# KiCad board PSEC5_Ctrl_Board.kicad_pcb (continued)
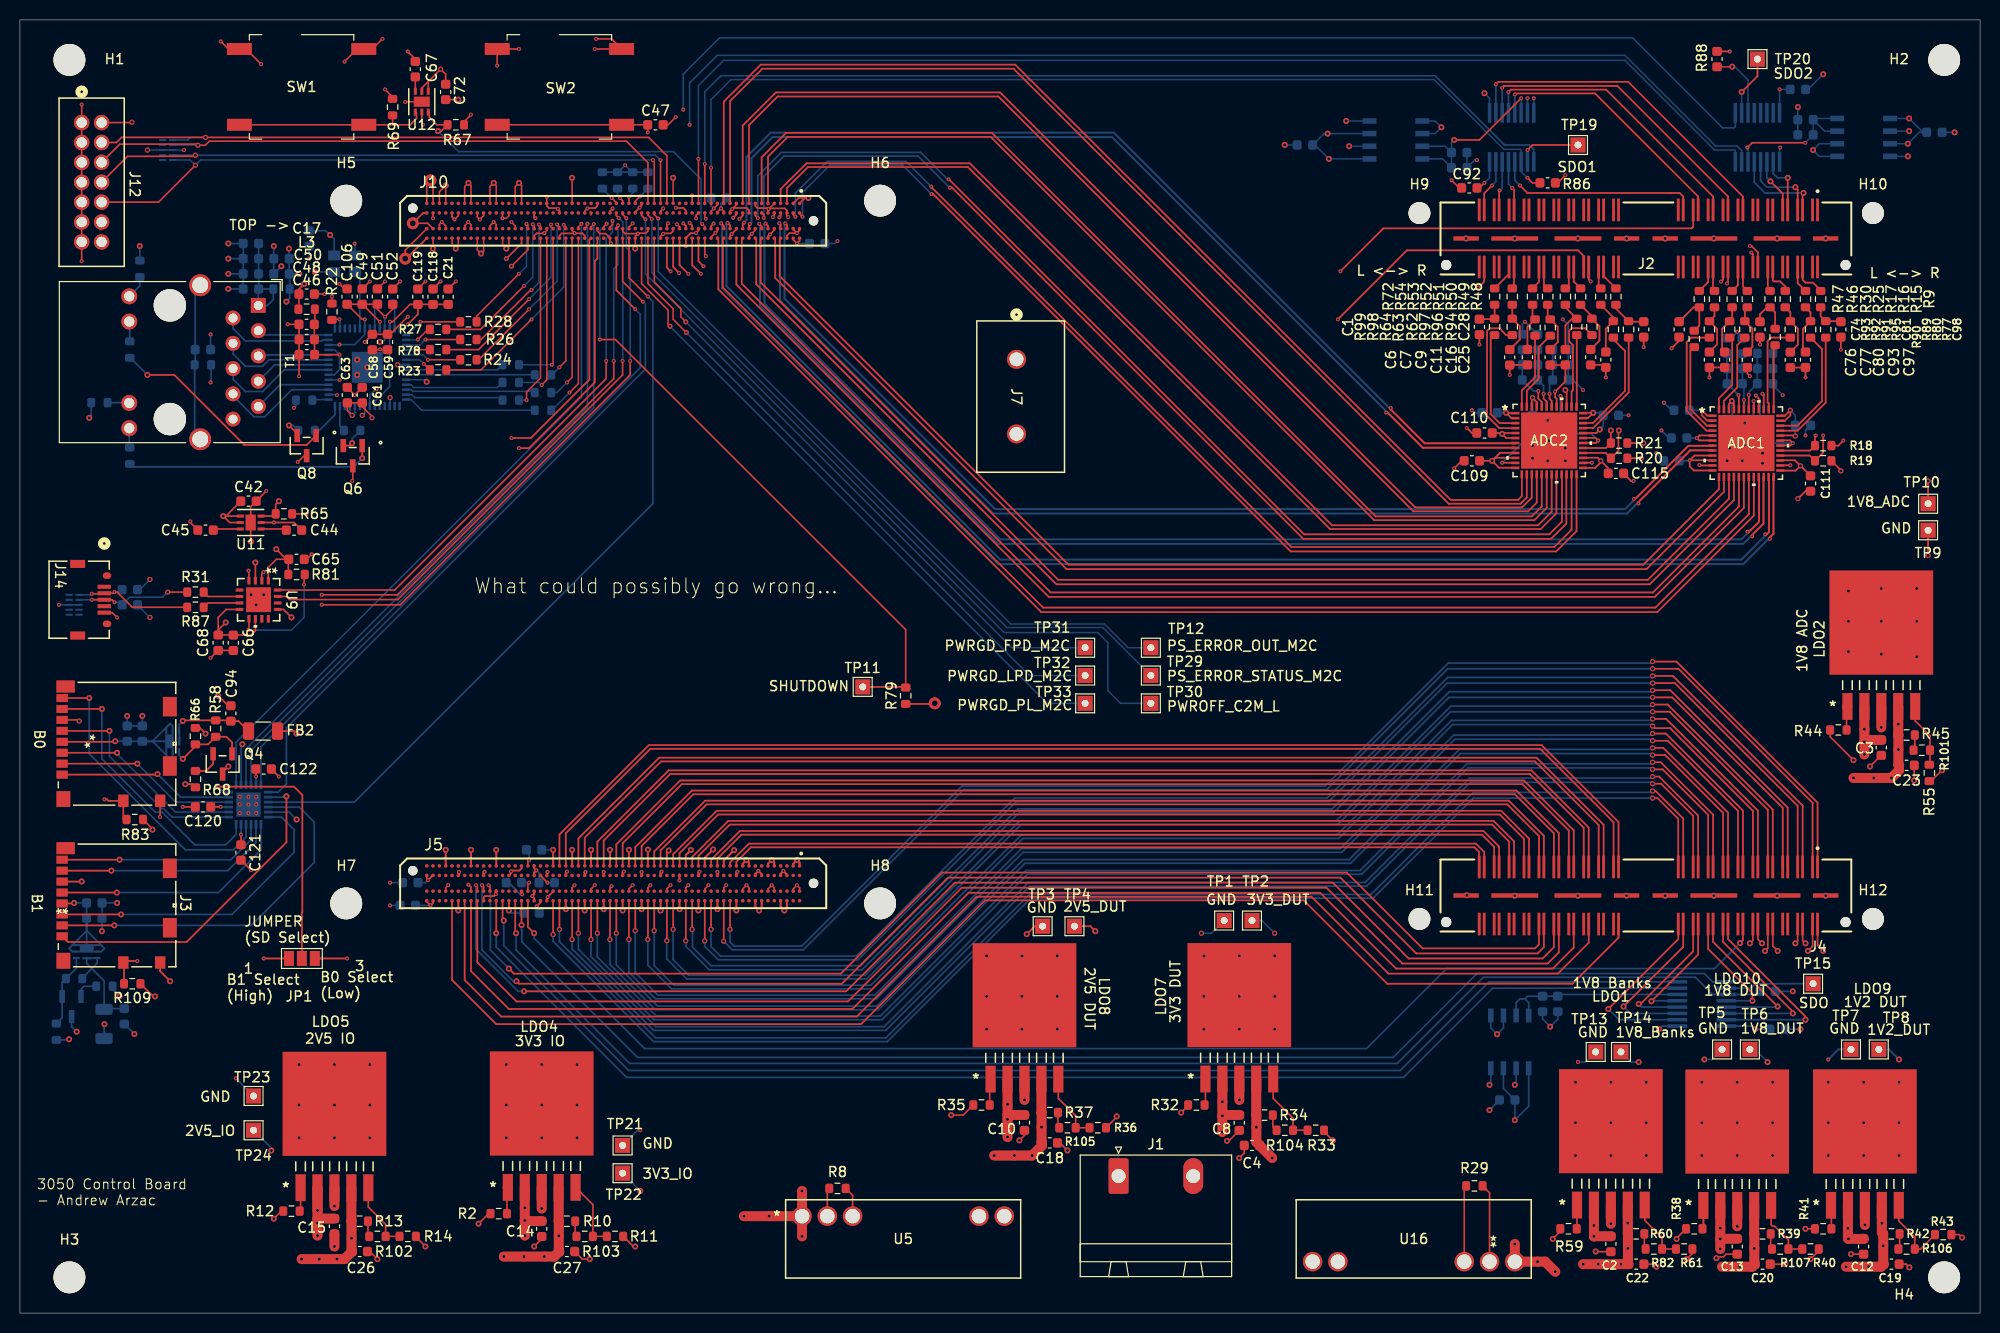
[diagram p0: board, top side]
## Nets (continued)
Pads without a net: J2 01 02 03 04 10 12 13 15 17 19 23 27 31 34 36 38 39 40 41 42 43 44 45 47 49 51 53 55 57 58 59 60 61 63 65 66 67 68 71 74 75 76 79 80; J3 11 12 13 14; J4 10 12 24 44 46 48 52 56 66 68 70 72 74 76 78 80; J5 A03 A04 A07 A08 A41 A42 A46 A47 A48 A50 A51 A52 A54 A55 A56 A58 A59 A60 B01 B02 B05 B06 B09 B10 B12 B13 B15 B16 B18 B19 B21 B22 B24 B25 B27 B28 B30 B31 B33 B34 B36 B37 B39 B40 B44 B45 B46 B48 B49 B50 B52 B53 B54 B56 B57 B58 C03 C04 C07 C08 C11 C12 C14 C15 C17 C18 C20 C21 C23 C24 C26 C27 C29 C30 C32 C33 C35 C36 C38 C39 C41 C42 C46 C47 C48 C54 C55 C56 C58 C59 C60 D01 D02 D05 D06 D09 D10 D50 D57 D58; J6 11 12 13 14; J10 A19 A20 A31 A32 A34 A35 A36 A38 A39 A40 A42 A43 A44 A47 A48 A51 A52 A55 A56 B18 B20 B21 B22 B28 B32 B33 B34 B36 B37 B38 B40 B41 B42 B44 B45 B46 B49 B50 B53 B54 B57 B58 C23 C24 C26 C27 C45 C47 C48 C51 C52 C55 C56 D32 D46 D49 D50 D53 D54 D57 D58; J12 12 14; J14 1 4 6 7 8 9; U1 1 2 4 5 9 12 29 31 32 33; U3 6 7 9 10; U4 12 13 14 15; U5 5; U9 5 11 12 14; U10 4 5 6 7 9 10; U16 5

## Via types
v1: diameter 0.4, hole 0.2, Top to Bottom, 352 vias
v2: diameter 0.6, hole 0.3, Top to Bottom, 389 vias
v3: diameter 0.52, hole 0.3, Top to Bottom, 69 vias
v4: diameter 1.2, hole 0.6, Top to Bottom, 4 vias
v5: diameter 0.5, hole 0.25, Top to Bottom, 6 vias

## Routing (per net, layer and track width the routed paths; a pad name or vN(x,y) marks a point on that pad's centre or on a via; arc(x,y) is an arc through that point)
1V2_DUT: length 18.1
  Top w0.159: 180.15,39.1 180.15,36.88 v2(179.69,36.42) ; v2(181.22,36.42) 180.65,36.98 180.65,39.1
  Top w1: LDO9.4 v2(187.11,9.04) 187.11,8.11 187.25,7.97 v2(187.25,6.76) 187.25,4.97 C19.1 187.04,4.67 v2(185.79,4.67) v2(183.5,4.67)
  Bottom w0.2: v2(188.84,25.5) 187.82,26.51 TP8.1
1V8_ADC: length 83.9
  Top w0.171: 176.9,85.74 178.37,85.74 v3(178.93,85.19) ; v3(177.91,90.77) 177.91,90.27 177.37,89.72 ADC1.35 ; v3(177.91,90.77) 177.91,90.76 ; v3(177.91,90.77) 177.36,90.22 ADC1.36 ; 176.9,88.24 178.35,88.24 v3(178.41,88.18) ; ADC1.9 168.28,86.22 v1(167.8,85.74) ; 148.24,86 v2(147.94,85.69) ; 148.24,86 148.74,86.5 150.28,86.5 ; 148.24,86 150.28,86 ; v2(147.94,85.69) 148.64,85 150.28,85 ; v2(147.94,85.69) C109.1 ; 176.9,84.74 176.93,84.71 178.45,84.71 v3(178.93,85.19) ; v2(148.96,88.39) 149.37,87.98 ADC2.6 ; v2(148.96,88.39) 148.86,88.49 C110.1 ; v2(148.96,88.39) 149.04,88.48 ADC2.5 ; 171.74,90.89 171.74,91.4 v2(172.04,91.69) 172.24,91.49 172.24,90.89 ; ADC2.46 151.93,91.97 v3(152,92.04) 152,92.01 152.43,91.58 ADC2.45 ; TP10.1 v3(191.76,83.66) ; 175.24,90.89 175.24,92.3 v1(175.12,92.42) ; v2(155.31,92.81) 155.43,92.68 ADC2.39 ; v3(158.86,85.69) 158.86,85.54 158.31,84.98 ADC2.25 ; v3(158.86,85.69) 159.61,84.94 C115.1 ; v3(158.86,85.69) 158.56,86 157.09,86 ; v3(158.86,85.69) 158.78,85.61 ; v3(158.86,85.69) 158.86,85.52 ; 157.09,88.5 158.43,88.5 v2(158.77,88.83) ; 170.09,87.74 168.75,87.74 v1(168.51,87.98) 168.78,88.24 170.09,88.24 ; v3(178.93,85.19) 178.94,85.19 C111.1 ; v1(167.8,85.74) 167.81,85.75 170.06,85.75 ADC1.10 ; v1(167.8,85.74) 167.8,85.14 168.22,84.72 ADC1.12 ; 157.09,90 157.58,90 v2(158.1,90.52) 157.11,90.52 157.09,90.5 ; 150,90.5 150.28,90.5 ; 157.12,84.96 157.09,85 ; 170.09,89.74 169.55,89.74 169.02,90.27 v1(169.02,90.77) 169.56,90.24 170.09,90.24 ; ADC2.1 149.38,90.48 v2(149.34,90.52) 149.88,89.98 ADC2.2
  Top w1: v2(184.26,53.8) v2(186.29,53.8) v2(188.07,53.8) 188.82,54.55 C23.1 188.77,55.12 v2(188.77,56.66) 188.77,58.12 188.76,58.13 v2(188.76,59.21) LDO2.4
  Bottom w0.171: 172.07,89.77 172.07,91.66 v2(172.04,91.69) ; v2(149.34,90.52) C112.1 ; v3(178.41,88.18) 178.41,88.18 C24.1 178.41,90.28 v3(177.91,90.77) ; v2(158.1,90.52) 158.85,90.52 C113.1 159.1,89.17 v2(158.77,88.83) ; C100.1 v1(168.51,87.98) ; v1(169.02,90.77) C99.1 ; v1(167.8,85.74) 167.75,85.69 C101.1 ; v3(152,92.04) C114.1
1V8_Banks: length 48
  Top w0.159: v1(53.02,43.28) 52.32,43.98 52.32,44.09 ; J10.D02 77.72,107.91 v1(78.09,107.54) 78.35,107.8 J10.D01 ; U9.1 24.96,74.98 25.77,75.79 C65.1 ; v2(13.32,48.61) 13.32,48.67 12.37,49.63 ; v1(51.17,45.56) 51.05,45.44 51.05,45.05 ; 52.32,41.55 52.32,41.28 v1(51.93,40.9) ; v3(11.26,119.73) 11.23,119.7 J12.2 ; R81.2 26.97,75.74 C65.1 ; C65.1 26.78,75.79 v2(25.77,76.8) ; v1(51.17,43.28) 51.05,43.15 51.05,42.51 ; 40.89,41.55 40.89,41.36 v1(41.26,40.99) 41.52,41.25 41.52,41.55
  Top w0.171: 17.64,52.86 17.32,53.18 v2(16.62,53.18) ; R19.1 182.99,84.74 v3(182.99,84.68) ; R18.1 182.74,87.22 v1(183.25,87.73) ; R21.1 v3(163.18,87.47) ; v1(23.73,53.94) 23.72,53.96 C122.1 ; R109.1 13.38,31.85 v2(13.58,31.85) ; R20.1 v3(162.93,85.95)
  Top w1: v2(157.09,4.92) v2(158.61,4.92) v2(160.9,4.92) C22.1 161.59,4.97 v2(161.59,6.51) R60.1 161.58,7.98 v2(161.58,9.06) LDO1.4
  Bottom w0.159: 52.2,40.23 51.93,40.49 v1(51.93,40.9) ; C83.1 51.17,46.31 v1(51.17,45.56) ; v1(53.02,43.28) C84.1 ; v2(162.67,25.24) 161.91,25.24 TP14.1 ; v1(41.26,40.99) C88.1 ; v1(78.09,107.54) C71.1 ; v1(51.17,43.28) 50.67,43.28
  Bottom w0.171: U17.5 23.72,53.93 v1(23.73,53.94) ; v2(10.02,31.85) 9.32,32.54 9.32,32.86
1V8_DUT: length 17.3
  Top w0.159: v2(176.64,36.42) 176.15,36.91 176.15,39.1 ; 175.65,39.1 175.65,36.69 v2(175.37,36.42)
  Top w1: v2(171.06,4.67) v2(172.83,4.67) 174.09,4.67 C20.1 174.29,4.97 v2(174.29,6.51) R39.1 174.28,7.98 LDO10.4
  Bottom w0.159: v2(175.63,25.24) 174.36,26.51 TP6.1
2V5_DUT: length 18.4
  Top w0.159: 174.15,39.1 174.15,37.48 v2(173.85,37.18) ; v2(175.07,37.18) 174.65,37.6 174.65,39.1
  Top w0.171: TP4.1 107.57,38.9 v2(108.07,38.4)
  Top w1: LDO8.4 102.65,20.17 R37.1 v2(102.67,18.7) 102.67,17.16 C18.1 102.72,16.85 v2(101.71,15.84) v2(99.94,15.84) v2(97.9,15.84)
2V5_IO: length 41.6
  Top w0.159: J10.B14 70.1,110.7 v1(70.46,111.06) 70.73,110.79 J10.B13 ; C92.1 146.67,113.13 v1(147.18,113.63) ; 40.89,44.09 40.89,43.65 v1(41.01,43.53) 41.52,44.04 41.52,44.09 ; v1(155.31,114.4) 154.54,113.63 R86.2
  Top w0.171: R88.2 171.8,126.85 v1(171.82,126.84)
  Top w1: LDO5.4 33.31,9.25 R13.1 v2(33.32,7.52) 33.32,6.24 C26.1 32.61,5.43 v2(31.86,5.43) v2(30.08,5.43) v2(28.31,5.43)
  Bottom w0.15: U2.16 147.69,114.14 v1(147.18,113.63) ; v1(176.83,123.03) U4.16
  Bottom w0.159: 29.58,104.74 v2(29.64,104.68) Y3.4 ; C91.1 v1(176.83,123.03) ; TP24.1 25.26,16.61 v2(25.26,16.35) ; v1(41.01,43.53) 40.75,43.28 C85.1 ; 70.99,112.11 70.46,111.57 v1(70.46,111.06) ; C60.1 30.75,108.82 v2(31.17,108.4) 31.58,108 31.58,106.33
  Bottom w0.171: C105.1 v2(174.36,28.54) 174.04,28.86 U15.16 ; R108.2 v2(178.17,32.35)
3V3_DUT: length 15.5
  Top w0.159: 179.15,39.1 179.15,37.47 v2(179.44,37.18) ; v2(178.42,37.18) 178.65,37.41 178.65,39.1
  Top w1: LDO7.4 124.24,19.92 R34.1 v2(124.26,18.7) 124.26,17.19 C4.1 124.59,16.85 v2(125.84,15.59)
  Bottom w0.159: TP2.1 124.83,39.47 v3(126.1,38.2)
3V3_IO: length 113.3
  Top w0.159: C72.1 42.78,124.56 v3(42.28,125.06) 41.04,123.82 ; v3(35.38,90.01) 35.38,90.16 34.4,91.13 C61.1 C63.1 32.91,90.75 v3(33.39,90.27) ; 22.18,79.48 21.08,79.48 v2(20.43,80.13) ; v1(38.97,100.17) 37.21,98.41 C59.1 C58.1 34.66,97.64 v1(34.66,97.63) ; v2(20.69,69.44) 19.92,68.68 C68.1 ; R65.1 v1(28.81,80.36) ; v2(28.56,103.47) 28.04,102.95 C17.1 28.04,100.98 L3.2 ; v2(20.43,80.13) 20.7,80.13 C42.1 ; v2(20.43,80.13) 22.18,80.13 ; U9.8 20.73,70.75 19.92,69.95 C68.1 ; C68.1 21.44,68.18 C66.1 23.23,68.17 23.66,68.6 U9.10 ; U12.2 40.39,123.17 41.04,123.82 ; U12.1 41.04,123.82 ; R69.1 37.45,122.27 v1(36.69,123.03) ; v1(45.33,120.49) 44.63,119.79 R67.1
  Top w0.171: v2(27.8,58.26) 27.55,58.52 FB2.2 ; v1(24.5,35.66) JP1.1 ; C120.1 v1(20.18,50.9) ; C121.1 v1(22.21,48.1)
  Top w1: v2(48.63,5.68) v2(50.66,5.68) v2(52.69,5.68) 53.69,5.68 C27.1 54.15,6.24 v2(54.15,7.78) R10.1 54.14,9.25 LDO4.4
  Bottom w0.15: U8.1 v2(189.85,120.11) 191.25,118.71 C31.1 190.87,118.71 v2(189.72,117.57) U8.3 ; U1.52 40.67,93.84 v2(40.88,93.63) ; 135.5,118.46 U7.3 v2(131.42,118.59) 131.05,118.59 C29.1 130.15,117.44 v2(131.55,116.05) U7.1
  Bottom w0.159: v1(34.66,97.63) 35.16,98.14 U1.36 ; U1.11 33.16,90.49 v3(33.39,90.27) 33.66,90.54 U1.10 ; U1.49 37.96,95.34 v3(37.96,95.35) ; TP22.1 v2(62.34,12.29)
  Bottom w0.171: C64.1 27.11,104.44 L5.2 27.11,102.03 v2(26.78,101.7) ; C64.1 v2(28.05,104.49) ; C64.1 C62.1 27.06,107 v2(27.04,107.03) ; U17.21 20.2,50.87 v1(20.18,50.89) ; U13.1 151.62,20.8 v2(150.23,19.4) 150.24,19.41 C102.1 149.08,22.59 U13.3 ; 7.16,91.54 7.16,90.2 v2(6.97,90.01) ; R74.2 v2(12.05,107.28) ; U17.17 22.22,48.11 v1(22.21,48.1) ; v2(8.5,29.05) 8.46,29.01 FB1.2
/SOM240_1(1.5)/ethernet1/AVDD18: length 22.2
  Top w0.159: C49.1 34.42,101.43 v1(36.18,99.66) ; C49.1 C51.1 35.93,100.93 v1(36.69,100.17) 37.46,100.95 C52.1 ; C49.1 C106.1 34.39,99.92 v1(34.66,99.92)
  Bottom w0.159: v3(37.2,92.04) 37.2,91.23 U1.3 ; 36.33,97.5 36.66,97.83 U1.39 36.66,100.14 v1(36.69,100.17) ; U1.26 32.08,97.34 v1(32.12,97.38) 33.64,97.38 34.66,98.4 U1.35 v1(34.66,99.92) ; v1(36.18,99.66) 36.16,99.64 U1.38 ; v1(32.12,93.82) 31.03,93.82
  vias: v2(36.17,97.65)
/SOM240_1(1.5)/ethernet1/AVDD33: length 11.2
  Top w0.159: v1(32.12,96.36) C46.1 C48.1 29.59,97.9 C50.1 29.64,99.46 L3.1
  Bottom w0.159: U1.20 31.6,94.34 32.12,94.85 v1(32.12,96.36) 31.64,96.84 U1.25
/SOM240_1(1.5)/ethernet1/DVDD: length 19.2
  Top w0.159: C119.1 39.2,101.42 37.46,99.67 v1(37.18,99.67) ; C119.1 39.99,100.43 v1(38.97,99.41) ; C119.1 C118.1 C21.1
  Bottom w0.159: v1(38.97,99.41) 38.56,98.99 U1.42 38.12,98.95 ; U1.6 35.66,91.65 37.16,93.15 U1.40 37.16,99.65 v1(37.18,99.67)
GND: length 658.5
  Top w0.15: J10.A14 70.1,111.43 v1(69.73,111.06) 69.46,110.79 J10.B15 ; J10.A21 65.65,114.14 v2(65.65,114.14) ; J10.D56 43.43,107.4 v2(43.8,107.03) 44.06,107.29 J10.D55 ; J10.A45 50.41,113.37 v2(50.15,113.63) 49.78,113.26 J10.A46 ; J10.A58 42.16,112.74 v2(42.79,113.37) J10.A57 ; J10.A54 44.7,113.26 v2(45.07,113.63) 45.33,113.37 J10.A53 ; J10.A37 55.49,114.14 v2(55.48,114.14) ; J10.B35 56.76,110.79 v1(57.03,111.06) ; J10.C41 52.95,108.84 v1(52.71,108.6) ; J10.A50 47.24,113.26 v2(47.61,113.63) 47.87,113.37 J10.A49 ; J10.D51 46.6,106.78 v2(46.34,106.52) 45.97,106.9 J10.D52 ; J10.D59 41.52,107.03 v2(41.52,107.03) ; J10.C14 70.1,108.82 v1(69.89,108.61) ; 29,86.2 28.56,86.2 v1(27.93,85.57) ; v1(41.52,110.08) 41.52,110.61 J10.B59 ; v1(62.11,108.52) 61.84,108.25 J10.D27 61.84,107.03 v2(61.83,107.03) ; v1(33.39,83.66) 33.45,83.72 Q6.3 ; J10.D48 48.51,107.4 v2(48.88,107.03) 49.14,107.29 J10.D47 ; J10.B23 64.38,110.79 v1(64.65,111.06) ; v1(49.39,109.7) 49.78,109.31 J10.C46 ; J10.B48 48.5,110.61 v1(48.5,110.08) 48.88,110.08 49.14,110.34 J10.B47
  Top w0.159: C63.2 32.91,93.03 v1(33.64,92.3) 34.4,93.06 C61.2 ; LDO2.6 v2(187.06,66.25) ; LDO2.6 186.68,69.42 v2(183.75,66.5) ; LDO2.6 190.49,72.85 v2(190.61,72.85) ; LDO2.6 v2(187.06,69.55) ; LDO2.6 183.88,69.42 v2(183.75,69.55) ; LDO2.6 186.93,69.42 v2(183.75,72.6) ; LDO2.6 190.49,69.42 v2(190.61,69.55) ; LDO2.6 v2(187.06,72.85) ; LDO2.6 190.49,66 v2(190.61,66) ; 45.33,42.51 45.33,42.81 v1(45.07,43.07) ; v2(158.35,6.19) 158.37,6.18 C2.2 ; J10.C50 47.24,109.32 v1(47.61,109.7) 47.87,109.44 J10.C49 ; v2(121.3,17.32) 121.49,17.32 C8.2 ; J10.D03 77.08,108.32 77.34,108.58 v1(78.08,108.58) ; C118.2 v1(42.28,103.73) ; C72.2 v2(44.06,122) ; v1(55.76,108.59) 55.49,108.85 J10.C37 ; v1(55.76,108.59) 55.72,108.55 54.45,108.55 54.22,108.32 J10.D39 ; v1(55.76,108.59) 55.79,108.55 56.53,108.55 56.76,108.32 J10.D35 ; 77.72,42.51 77.72,42.65 v1(78.09,43.02) 78.35,42.76 78.35,42.51 ; v1(52.94,112.24) 52.95,112.23 J10.A41 52.95,111.32 53.18,111.09 53.99,111.09 v1(54.07,111.02) 54.22,110.86 J10.B39 ; v2(179.94,5.43) 180.77,6.25 180.77,6.45 ; C18.2 104.51,17.11 v2(105.27,16.35) ; R36.2 110.22,19.72 v2(110.22,19.78) ; v1(59.57,111.06) 59.57,110.89 ; v1(65.9,120.24) 65.14,119.48 C47.2 ; 57.4,42.51 57.4,42.66 v1(57.77,43.03) ; C45.2 17.88,78.73 17.13,79.48 ; C20.2 v2(177.41,4.92) ; C66.2 21.44,66.63 C68.2 19.91,66.63 v1(19.16,65.88) ; v2(167.5,5.43) 168.07,6 R61.2 ; v1(26.91,99.41) C50.2 27.88,99.41 ; J6.6 5.85,59.64 v3(5.95,59.53) ; v1(40.5,119.48) 40.39,119.59 U12.5 ; 35.93,102.98 35.94,102.98 v1(36.69,103.73) ; v1(75.25,111) 75.18,110.93 J10.B06 ; v1(75.25,111) 75.32,111.07 76.87,111.07 77.08,110.86 J10.B03 77.08,110.33 v1(77.2,110.2) ; v1(75.25,111) 75.25,111 75.81,111.56 J10.A05 ; v2(195.18,7.6) 194.88,7.9 R43.2 ; 71.98,111.6 J10.A11 72,111.43 v1(71.57,111) 71.37,110.79 J10.B12 ; v2(23.66,75.46) U9.3 ; 78.37,109.03 J10.C01 78.35,108.86 v1(78.08,108.58) ; 68.83,42.51 68.83,42.66 v1(69.2,43.03) ; v1(32.62,125.83) 33.89,127.1 SW1.1 35.42,127.1 v1(36.44,128.11) ; v1(43.04,43.02) 42.79,42.77 42.79,42.51 ; v1(38.72,121.76) 38.75,121.8 U12.7 ; v1(9.77,69.95) 9.29,70.42 J14.5 ; v1(78.08,108.58) 77.72,108.94 J10.C02 ; U9.17 23.99,71.47 v2(23.73,71.22) ; U9.17 v2(24.5,72.23) ; U9.17 23.73,71.72 v2(23.23,72.23) ; v1(143.88,113.89) 144.64,113.13 C92.2 ; J10.C57 42.79,109.31 v1(42.4,109.7) 42.16,109.45 J10.C58 ; v1(51.9,44.52) 51.68,44.74 51.68,45.05 ; J10.C05 75.81,108.89 v1(75.37,108.45) 75.18,108.25 J10.D06 ; C4.2 123.04,16.08 v2(122.54,15.59) ; 32.88,102.98 32.61,102.98 v1(32.12,103.47) ; v2(164.45,4.67) 164.2,4.92 C22.2 ; 72.64,42.51 72.64,42.65 v1(73.01,43.02) 73.27,42.76 73.27,42.51 ; v1(59.39,107.54) 59.3,107.63 J10.D31 59.3,108.08 58.85,108.53 58.28,108.53 58.03,108.78 J10.C33 ; J10.A01 78.89,112.11 v2(79.24,112.11) 78.25,112.11 J10.A02 ; v2(193.15,54.58) 192.06,53.49 R55.2 ; 55.75,6.19 56.51,5.43 v2(57.26,5.43) ; v1(61.58,43.03) 61.21,42.66 61.21,42.51 ; R29.1 145.15,12.6 U16.3 ; v2(100.44,17.37) 100.95,17.88 C10.2 ; C3.2 187.03,56.08 v2(185.91,54.96) ; v1(55.74,43.02) 55.49,42.77 55.49,42.51 ; C58.2 36.16,96.86 v1(36.2,96.9) 36.24,96.86 C59.2 ; v1(65.39,43.03) 65.02,42.66 65.02,42.51 ; R8.1 83.68,11.84 U5.3 ; v1(38.97,126.84) 39.74,126.08 C67.2 ; R22.2 v1(31.36,102.2) ; v1(63.36,43.02) 63.11,42.77 63.11,42.51 ; v1(52.71,108.6) 52.66,108.55 51.91,108.55 51.68,108.32 J10.D43 ; J10.D09 73.27,108.25 v1(73.54,108.52) 73.91,108.89 J10.C08 ; C23.2 190.37,53.56 v2(190.36,53.55) ; J10.C53 45.33,109.42 v1(45.06,109.7) 44.7,109.34 J10.C54 ; C52.2 37.46,102.98 v1(38.21,103.73) ; J10.C29 60.57,108.78 60.82,108.53 62.1,108.53 v1(62.11,108.52) 62.16,108.58 62.9,108.58 63.11,108.78 J10.C25 ; v1(70.98,43.02) 70.73,42.77 70.73,42.51 ; v1(24.24,125.57) 22.72,127.1 SW1.2 20.94,127.1 v1(20.18,127.86) ; v1(6.21,105.76) J12.13 J12.11 J12.9 J12.7 J12.5 J12.3 J12.1 v1(6.21,121.51) ; 75.81,42.51 75.81,42.76 v1(75.55,43.02) 75.18,42.65 75.18,42.51 ; J10.D12 71.37,108.33 v1(71.51,108.47) 72,108.97 J10.C11 ; v1(24.75,82.65) 23.75,81.64 C42.2 23.19,81.07 U11.7 23.19,77.6 v2(23.23,77.57) ; v1(35.17,103.73) 34.42,102.98 34.4,102.98 ; J6.10 14.09,49.89 v1(14.08,49.88) ; v2(189.88,4.6) 189.55,4.92 C19.2 ; J10.A26 62.48,111.36 v1(62.27,111.15) 61.84,110.72 J10.B27 ; R11.2 61.64,6.7 v2(61.83,6.7) ; 53.59,42.51 53.59,42.37 v1(53.04,41.83) 52.95,41.74 52.95,41.55 ; v1(47.97,125.42) SW2.2 v1(50.15,127.1) ; v2(40.75,6.7) 39.8,7.65 R14.2 ; v1(57.9,128.11) 59.45,128.11 SW2.1 v1(57.77,127.1) ; C13.2 171.46,5.92 171.2,5.67 170.62,5.67 v2(170.48,5.53) ; 66.92,42.51 66.92,42.77 v1(67.17,43.02) ; C119.2 v1(40.75,103.73) ; J10.D15 69.46,108.18 v1(69.89,108.61) ; J10.C21 65.65,108.78 65.42,108.55 64.68,108.55 v1(64.63,108.5) 64.38,108.25 J10.D23 ; J10.B52 45.97,110.2 v1(46.21,109.95) 46.6,110.34 J10.B51 ; v2(184.01,5.94) 184.02,5.92 C12.2 ; R33.2 131.05,18.26 v2(131.94,17.37) ; J10.B56 43.43,110.2 v1(43.67,109.95) 44.06,110.34 J10.B55 ; v1(67.95,108.6) 68.19,108.84 J10.C17 ; 28.32,78.73 28.32,78.72 27.56,79.48 v1(25.51,79.48) 24.28,79.48 ; v1(29.32,76.3) 28.81,75.79 C65.2 ; C17.2 v1(30.59,102.46) ; v2(27.29,69.95) 26.49,70.75 U9.13 ; C26.2 35.17,6.19 v2(35.93,5.43) ; 59.3,42.51 59.3,42.77 v1(59.45,42.92) ; v2(51.67,6.7) 52.44,7.46 C14.2 ; C21.2 v1(43.8,103.73) ; v1(51.49,41.91) 51.68,41.72 51.68,41.55
  Top w0.171: C77.2 C76.2 v1(169.78,94.08) ; C115.2 161.16,84.41 161.91,83.66 v1(162.16,83.66) ; J5.B47 49.36,44.22 v1(49.36,44.41) 49.45,44.5 50.2,44.5 50.41,44.71 J5.A45 ; TP9.1 v3(191.76,76.17) ; v1(179.44,94.08) C97.2 179.42,95.07 C93.2 ; J10.A18 67.56,112.36 v1(67.55,112.36) ; 157.09,88 158.34,88 v1(158.61,87.73) 158.38,87.5 157.09,87.5 ; C94.2 20.93,61.07 v2(19.92,62.07) ; v2(15.1,33.37) 14.09,34.37 J3.10 ; C121.2 22.24,45.54 v1(23.23,44.55) ; v2(152,85.95) 153.68,87.62 v2(153.68,87.73) ; v2(20.94,54.96) 20.37,54.39 Q4.3 ; ADC1.49 173.49,87.06 v2(175.12,85.44) ; ADC1.49 v2(173.29,87.27) 172.99,86.96 v2(171.82,86.96) ; ADC1.49 173.49,89.35 v2(173.34,89.5) ; ADC1.49 173.34,87.47 v2(171.56,85.69) ; ADC1.49 173.49,86.1 v2(173.09,85.69) ; ADC1.49 174.51,86.46 v2(175.12,86.46) ; v2(153.68,87.73) 154.45,86.96 v2(155.31,86.96) ; v2(153.68,87.73) 153.68,85.85 v2(153.53,85.69) ; v2(153.68,87.73) 153.68,89.6 v2(153.53,89.76) ; v2(153.68,87.73) 153.17,87.22 v2(152,87.22) ; v2(153.68,87.73) 153.68,87.32 v2(155.31,85.69) ; C110.2 145.91,88.49 v1(145.4,89) ; ADC1.41 174.24,91.67 v1(174.22,91.69) ; J10.B31 59.3,110.79 v1(59.57,111.06) ; C109.2 144.89,85.69 v1(144.13,84.93) ; C81.2 v1(174.87,97.38) ; C98.2 v1(182.99,96.87) ; v1(173.85,94.2) 173.59,94.46 C80.2 ; v1(75.25,111) 75.15,111.09 74.13,111.09 73.91,111.32 J10.A08 ; C28.2 v1(163.18,97.12) ; v1(168.77,85.26) 168.81,85.22 ADC1.11 ; v1(51.8,110.08) 51.68,110.2 J10.B43 ; v1(157.97,85.49) 157.09,85.49 ; v1(28.05,94.2) C46.2 C48.2 28.05,99.4 C50.2 ; J10.B19 66.92,110.86 66.68,111.11 65.93,111.11 v1(65.92,111.13) ; v2(101.18,38.1) 101.97,38.9 TP3.1 ; C122.2 25.27,54.69 v1(26.02,53.94) ; 46.6,41.55 46.6,41.8 46.72,41.92 47.62,41.92 v1(47.82,42.13) ; J10.A33 58.03,111.32 57.8,111.09 57.06,111.09 v1(57.03,111.06) ; 176.9,87.74 177.9,87.74 v1(178.17,87.47) 177.94,87.24 176.9,87.24 ; v1(71.57,111) 71.68,111.11 73.03,111.11 73.27,110.86 J10.B09 ; v3(178.68,81.88) 179.42,82.63 179.94,82.63 ; v1(148.96,85.49) 150.28,85.49 ; C9.2 155.29,95.32 C11.2 155.31,93.68 v1(154.28,92.65) 154.28,92.08 154.43,91.93 ADC2.41 ; v1(165.97,97) 166.74,97.76 C74.2 ; v1(149.72,94.33) C6.2 149.73,95.33 C7.2 ; v1(177.91,85.24) 176.9,85.24 ; v1(159.37,94.08) C25.2 159.12,95.33 C16.2 ; v2(145.4,42.01) 145.37,42.01 145.33,41.97 ; v1(66.91,107.28) 66.92,107.29 J10.D19 66.92,108.09 67.4,108.57 67.92,108.57 v1(67.95,108.6) ; v1(32.88,35.66) JP1.3 ; R66.2 18.08,58.83 v2(18.66,58.26) ; 91.87,61.25 R79.1 ; v2(6.21,43.4) 6.19,43.38 J3.6 ; 17.63,50.9 C120.2 v1(16.37,50.89) ; C1.2 v1(146.67,97.38)
  Top w0.2: v2(156.32,23.21) 159.88,19.65 LDO1.6 ; 70.73,45.05 70.73,45.5 v2(71.78,46.54) ; v2(70.1,40.61) 70.1,41.55 ; v2(156.32,15.84) 156.58,15.84 v2(159.88,19.15) ; v2(163.44,23.21) 163.18,23.21 159.88,19.91 v2(159.88,19.15) ; 47.86,42.51 47.87,42.51 47.82,42.47 v1(47.82,42.13) ; v2(65.2,46.51) 65.02,46.32 65.02,45.05 ; v1(60.68,44.39) 60.57,44.28 60.57,44.09 ; v1(50.47,42.1) 50.41,42.16 J5.C45 ; 56.76,44.09 56.76,44.28 v1(56.83,44.35) ; v2(163.44,15.84) 163.18,15.84 v2(159.88,19.15) ; 72.64,45.05 72.64,45.18 v2(73.01,45.56) 73.27,45.3 73.27,45.05 ; 52.95,44.09 52.95,44.28 v1(53.02,44.35) ; 42.79,45.05 42.79,46.57 v2(42.78,46.58) ; LDO1.6 v2(159.88,15.84) ; LDO1.6 163.28,19.3 v2(163.44,19.15) ; LDO1.6 v2(159.88,23.21) v2(159.88,19.15) ; LDO1.6 156.48,19.3 v2(156.32,19.15) ; v1(46.7,44.38) 46.6,44.28 46.6,44.09 ; 64.38,44.09 64.38,44.28 v1(64.49,44.39) ; v1(66.28,43.5) 66.28,44.08 66.29,44.09 ; v2(72,40.48) 72,40.49 72,41.55 ; 51.68,44.09 51.68,44.3 v1(51.9,44.52) ; v2(69.67,46.62) 68.83,45.77 68.83,45.05 ; 66.92,45.05 66.92,46.05 v2(67.44,46.56) ; v1(54.98,44.39) 54.86,44.27 54.86,44.09 ; v2(59.3,46.58) 59.3,45.05 ; v2(58.67,40.61) 58.67,41.55 ; v2(56.75,40.48) 56.76,40.49 56.76,41.55 ; v2(60.56,40.48) 60.57,40.49 60.57,41.55 ; 78.35,45.05 78.35,45.3 v2(78.09,45.56) 77.72,45.18 77.72,45.05 ; v2(64.38,40.48) 64.38,40.49 64.38,41.55 ; 75.18,45.05 75.18,45.18 v2(75.55,45.56) 75.81,45.3 75.81,45.05 ; v1(44.13,44.35) 44.06,44.28 44.06,44.09 ; v2(44.06,40.48) 44.06,40.49 44.06,41.55 ; v2(66.29,40.61) 66.29,41.55 ; v2(49.14,40.48) 49.14,40.49 49.14,41.55 ; v2(53.59,46.58) J5.A40 ; 77.08,41.55 77.08,40.74 v2(76.82,40.48) 76.45,40.86 76.45,41.55 ; 72,44.09 72,44.28 v1(72.1,44.38) ; 74.54,41.55 74.54,40.74 v2(74.28,40.48) 73.91,40.86 73.91,41.55 ; 73.91,44.09 73.91,44.17 v1(74.21,44.47) 74.54,44.13 74.54,44.09 ; 47.87,45.05 47.87,46.57 v2(47.86,46.58) ; v1(68.29,44.38) 68.19,44.28 68.19,44.09 ; 68.19,41.55 68.19,40.49 v2(68.19,40.48) ; 77.08,44.09 76.73,44.45 v1(76.73,44.45) 76.45,44.17 76.45,44.09 ; v1(51.49,41.91) 51.68,42.1 J5.C43 ; v2(63.11,46.6) 63.11,45.05 ; v2(55.49,46.58) 55.49,45.05 ; v2(57.4,46.58) 57.4,45.05 ; 45.33,45.05 45.33,46.57 v2(45.33,46.58) ; v1(70.1,44.36) 70.1,44.09 ; v1(58.67,44.36) 58.67,44.09 ; v2(61.21,46.58) 61.21,45.05 ; v1(62.48,44.36) 62.48,44.09 ; v2(62.48,40.61) 62.48,41.55 ; v2(54.86,40.61) 54.86,41.55
  Top w0.318: 159.88,11.78 LDO1.3 159.88,10
  Top w1: LDO1.3 v2(159.88,8.99) ; LDO7.3 v2(122.54,21.43) ; v2(185.41,8.86) LDO9.3 ; LDO8.3 v2(100.95,21.43) ; LDO10.3 v2(172.58,8.73) ; LDO5.3 v2(31.61,10.76) ; C15.2 v2(31.61,6.7) ; LDO4.3 v2(52.44,10.51) ; LDO2.3 v2(187.06,58.88)
  Bottom w0.15: U4.1 176.83,117.13 v1(176.9,117.19) ; C89.2 C32.2 178.66,121.24 v2(178.68,121.25) ; v2(189.85,118.84) U8.2 ; U8.6 180.83,117.57 v2(180.2,116.94) 180.83,116.3 U8.5 ; C29.2 v2(127.1,117.44) ; U7.6 142.21,118.59 v2(142.85,119.22) 142.21,119.86 U7.5 ; v2(133.58,117.32) U7.2 ; C31.2 v2(194.42,118.71) ; v2(189.72,116.3) U8.4 ; v2(133.28,119.86) U7.4
  Bottom w0.159: v2(181.22,124.56) 179.69,123.03 C91.2 ; R73.1 61.52,114.71 v1(60.82,115.41) 60.12,114.71 R71.1 ; R73.1 R71.1 ; R73.1 R75.1 ; C69.2 11.82,71.19 v3(13.07,69.95) ; R70.1 R71.1 ; v1(16.5,116.94) U3.3 U3.8 v3(12.81,116.94) ; C71.2 81.9,107.54 v1(82.16,107.79) ; v3(118.73,38.2) 119.75,38.2 TP1.1 ; v2(147.18,122.65) 147.69,122.14 U2.1 ; TP5.1 170.04,25.5 v2(169.28,25.5) ; C85.2 v1(37.2,43.28) ; 52.17,43.28 52.17,44.25 v1(51.9,44.52) ; 34.66,95.09 v2(33.89,94.33) ; 34.66,95.09 v2(33.89,95.85) ; 34.66,95.09 v2(34.91,95.09) ; C88.2 v1(37.2,40.99) ; TP21.1 62.09,18.38 v1(62.34,18.38) ; v1(33.64,107.54) 33.67,107.5 33.67,106.33 ; C107.2 12.05,72.74 v3(13.07,73.76) ; C60.2 v1(29.07,106.01) ; v2(49.14,40.48) 49.39,40.23 C87.2 ; TP13.1 157.34,25.24 v1(156.58,25.24) ; C70.2 69.44,111.34 v1(69.73,111.06) ; v1(3.92,71.22) U10.8 U10.3 ; v1(146.42,115.92) 146.18,115.92 C30.2 C90.2 ; R84.1 27.74,91.22 v1(27.55,91.03) ; v1(21.7,23.61) TP23.1 ; C83.2 v2(53.59,46.58)
  Bottom w0.171: C101.2 165.2,85.71 v1(164.45,86.46) ; C38.2 152.5,98.41 v1(151.24,99.66) 150.99,99.41 C37.2 ; C55.2 C54.2 ; C55.2 C56.2 v2(20.94,107.54) ; C55.2 v2(20.94,106.01) ; C54.2 v2(20.94,104.49) ; C54.2 C53.2 v2(20.94,102.97) ; v1(22.97,51.12) 22.97,51.02 v1(23.73,50.26) ; v1(22.97,51.12) 22.95,51.12 v1(22.08,50.26) ; v1(22.97,51.12) 22.11,51.12 v1(22.08,51.15) ; v1(22.97,51.12) v1(22.97,51.91) ; v1(22.97,51.12) v1(22.97,50.26) ; v1(22.97,51.12) 23.71,51.12 v1(23.73,51.15) ; v1(22.97,51.12) 22.87,51.12 v1(22.08,51.91) ; v1(22.97,51.12) 22.97,51.15 v1(23.73,51.91) ; C117.2 C75.2 C73.2 176.15,93.3 v1(177.15,92.3) ; v2(150.23,22.96) 150.35,23.08 150.35,24.62 ; v2(11.51,28.06) 10.5,29.06 C5.2 ; v1(165.21,91.54) 165.97,90.77 C99.2 ; v2(147.69,22.96) 147.81,23.08 U13.4 ; C24.2 179.44,88.73 v1(179.44,88.23) ; v2(27.8,49.63) 27.05,50.37 U17.11 ; U13.5 147.81,28.67 v2(148.45,28.04) 149.08,28.67 U13.6 ; C102.2 148.69,21.42 v2(147.69,20.42) ; R100.2 19.21,93.62 v1(19.16,93.57) ; C112.2 146.16,90.52 v1(145.91,90.77) ; v2(5.7,28.29) 5.19,28.8 Q1.3 ; v2(10.78,60.04) C95.2 C82.2 v2(12.31,60.04) ; v2(9.77,41.24) C108.2 C43.2 8.25,38.41 v2(8.24,38.4) ; v1(164.96,88.74) 165.72,87.98 C100.2 ; v2(22.35,57.2) 22.22,57.07 U17.2 ; v2(173.34,89.5) 174.22,90.38 v1(174.22,91.69) ; v1(155.05,99.92) 155.59,99.38 C116.2 C79.2 C78.2 156.07,93.82 v1(157.09,92.81) ; C105.2 v2(178.93,28.54) ; 171.98,88.22 C41.2 172.34,88.22 v2(173.29,87.27) ; v2(164.71,28.54) 165.02,28.86 U15.1 ; C57.2 v1(19.16,98.39) ; C34.2 173.09,98.14 v1(172.58,98.65) 171.96,98.03 C33.2 ; v2(4.94,27.53) 4.88,27.46 R111.2 ; C103.2 153.02,29.56 v2(153.78,28.8) 154.54,29.56 C104.2 ; v1(158.61,87.73) 157.91,88.42 152.31,88.42 C114.2 152,88.54 v1(148.96,85.49) ; C113.2 v1(161.66,90.27) ; v1(178.17,87.47) 175.31,87.47 R57.2 ; v2(26.28,105.25) C64.2 C62.2 v2(25.51,107.28)
  Bottom w0.2: v1(181.72,25.5) 182.74,26.51 TP7.1 ; v1(50.47,42.1) 50.3,42.1 49.12,43.28
  vias: v1(17.13,79.6) v2(28.05,24.99) v2(28.05,20.92) v2(28.05,17.62) v2(31.61,24.99) v2(31.61,20.92) v2(31.61,17.62) v2(35.17,24.99) v2(35.17,20.92) v2(35.17,17.62) v2(48.88,24.99) v2(48.88,20.92) v2(48.88,17.62) v2(52.44,24.99) v2(52.44,20.92) v2(52.44,17.62) v2(55.99,24.99) v2(55.99,20.92) v2(55.99,17.62) v2(97.14,35.91) v2(97.14,31.85) v2(97.14,28.54) v2(100.7,35.91) v2(100.7,31.85) v2(100.7,28.54) v2(104.25,35.91) v2(104.25,31.85) v2(104.25,28.54) v2(118.99,35.91) v2(118.99,31.85) v2(118.99,28.54) v2(122.54,35.91) v2(122.54,31.85) v2(122.54,28.54) v2(126.1,35.91) v2(126.1,31.85) v2(126.1,28.54) v2(145.33,108.05) v2(150.22,108.05) v2(150.22,41.97) v2(156.57,108.05) v2(156.57,41.97) v2(161.46,108.05) v2(161.46,41.97) v2(165.34,108.05) v2(165.34,41.97) v2(169.02,23.21) v2(169.02,19.15) v2(169.02,15.84) v2(170.23,108.05) v2(170.23,41.97) v2(172.58,23.21) v2(172.58,19.15) v2(172.58,15.84) v2(176.13,23.21) v2(176.13,19.15) v2(176.13,15.84) v2(176.58,108.05) v2(176.58,41.97) v2(181.47,108.05) v2(181.47,41.97) v2(181.72,23.21) v2(181.72,19.15) v2(181.72,15.84) v2(185.28,23.21) v2(185.28,19.15) v2(185.28,15.84) v2(188.84,23.21) v2(188.84,19.15) v2(188.84,15.84) v4(91.93,61.31)